# Allegro board REF_038HX-888005K4R-A100.brd (continued)
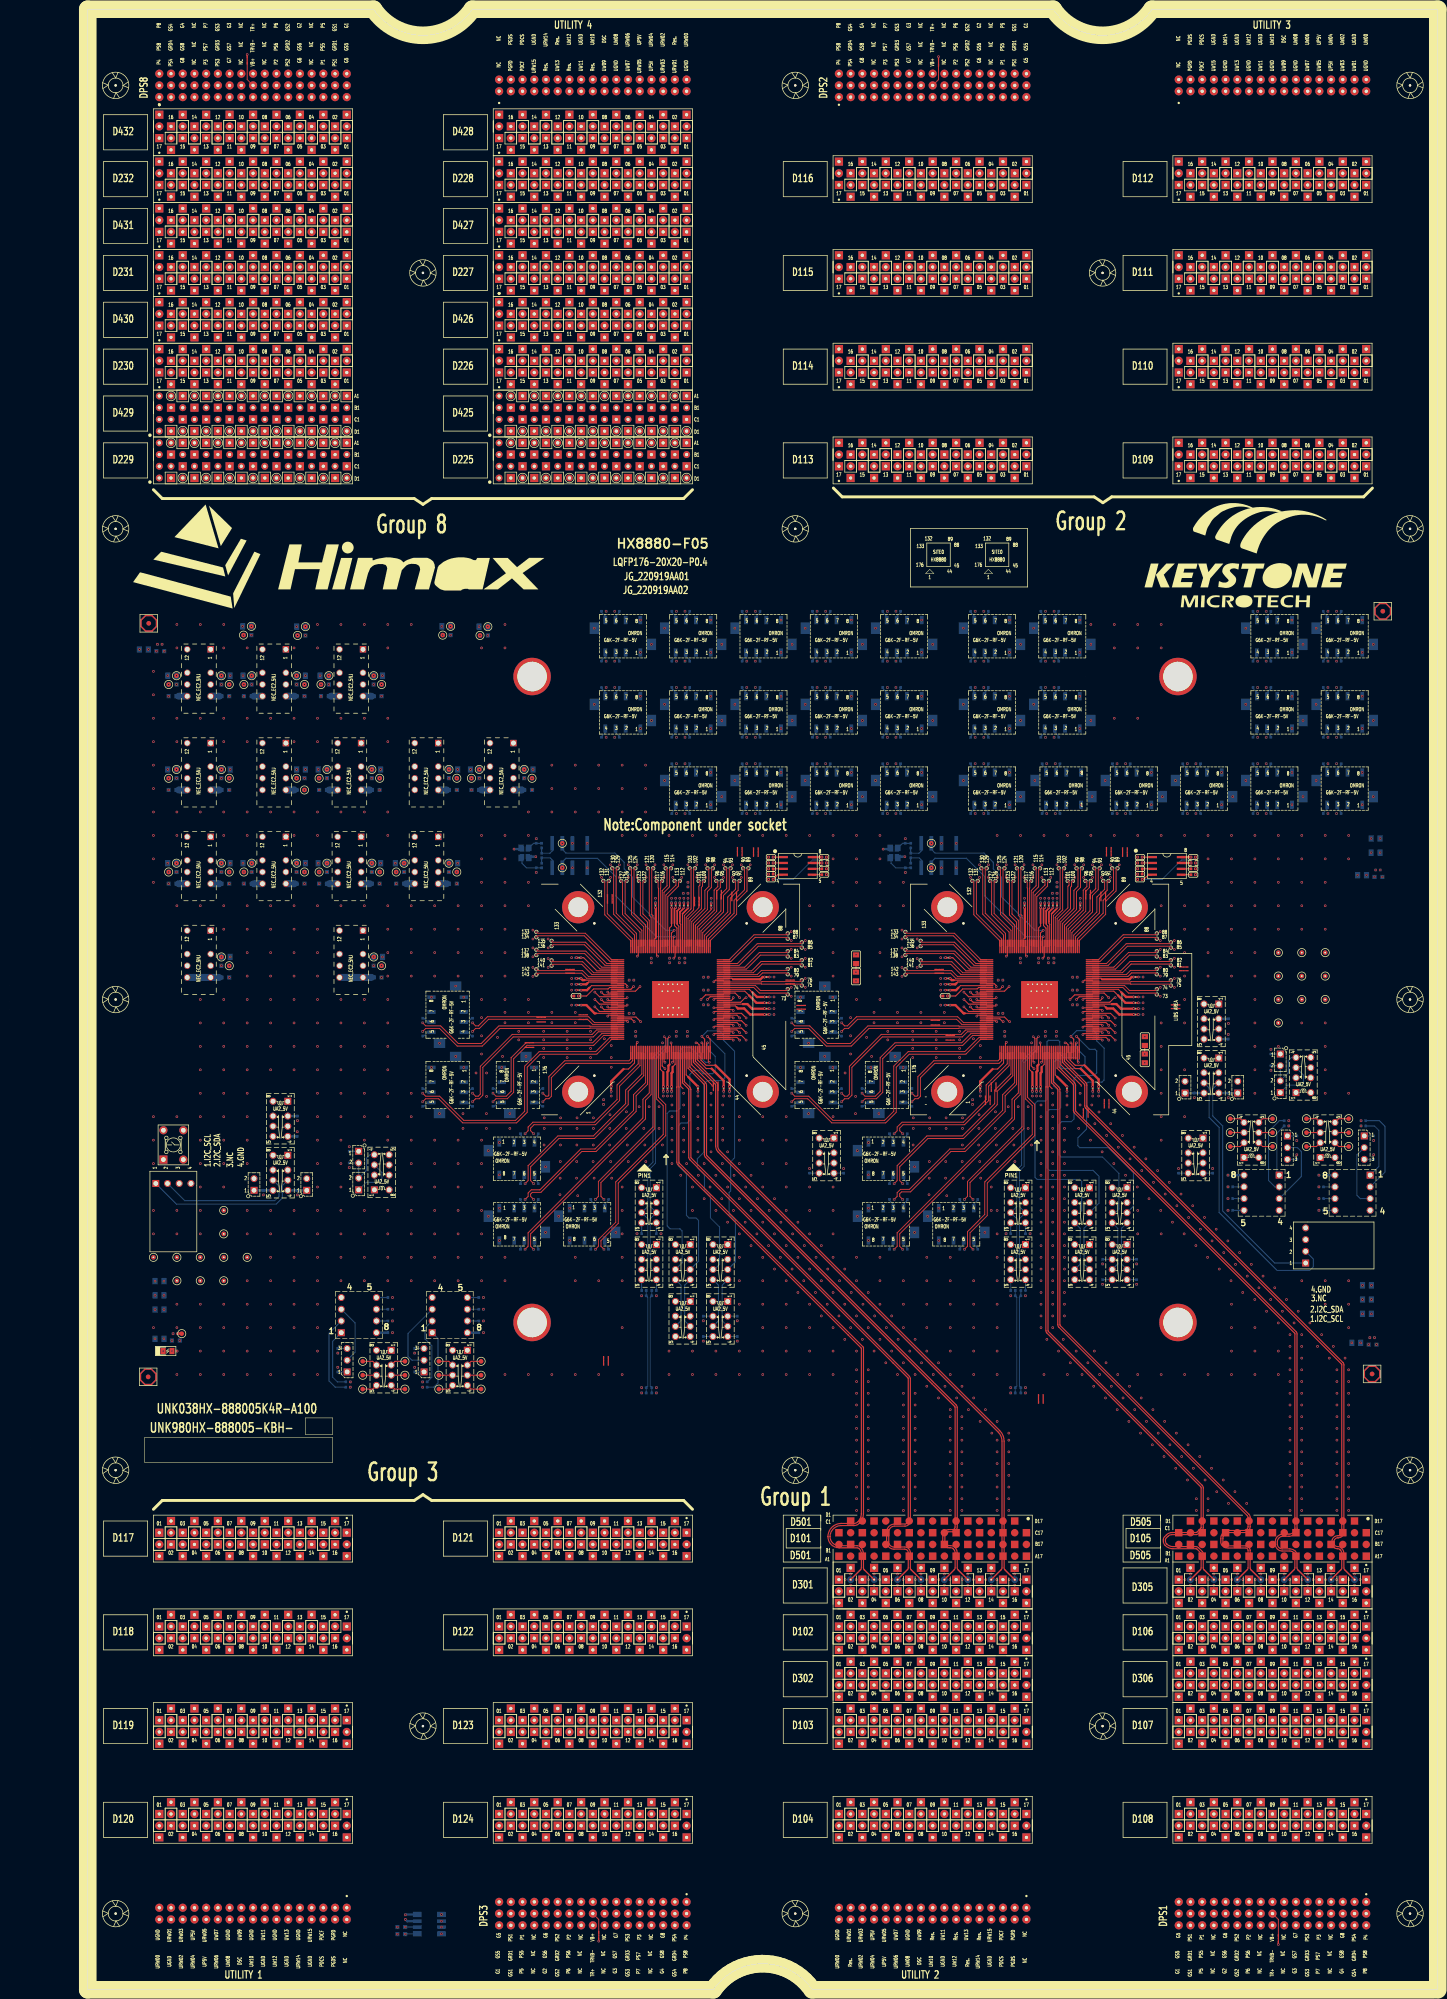
[diagram p0: board, top side]
## Routing (per net, layer and track width the routed paths; a pad name or vN(x,y) marks a point on that pad's centre or on a via; arc(x,y) is an arc through that point) (continued)
  L03_SIGNAL w0.145: 143.58,288.23 143.31,287.96 v2(142.85,287.96) ; 188.39,348.64 187.68,349.35 186.86,349.35 D114.08
  L22_SIGNAL w0.135: 143.58,287.69 143.58,286.88 143.26,286.56 140.92,286.56 139.36,288.12 139.36,303.98 130.42,312.92 119.78,312.92 118.04,311.18 118.04,305.89 119.33,304.6 125.64,304.6 131.78,298.47 131.78,285.44 133.32,283.91 138.11,283.91 147.09,274.93 147.09,253.4 141.98,248.29 136.81,248.29 132.78,244.26 132.78,240.7
  L22_SIGNAL w0.145: 132.78,240.7 v2(132.41,240.33) ; 143.58,287.69 143.31,287.96 v2(142.85,287.96)
D11409: length 268.7
  TOP w0.203: SITE1.93 133.32,229.13 137.8,233.61 137.8,237.19 139.05,238.44 139.05,242.77 v2(139.34,243.07)
  L05_SIGNAL w0.135: 181.38,354.83 181.38,356.46 176.79,361.06 156.87,361.06 153.39,357.58 153.39,323.59 148.59,318.79 148.59,312.67 153.88,307.38 153.88,266.74 156.42,264.19 158.49,264.19 159.22,264.93 159.22,265.48
  L05_SIGNAL w0.145: 159.22,265.48 159.49,265.75 v2(159.95,265.75) ; D114.09 181.38,354.83
  L20_SIGNAL w0.135: 138.98,243.43 138.98,244.67 139.5,245.19 139.69,245.19 139.86,245.01 140.05,245.01 140.24,245.2 140.24,245.39 140.07,245.57 140.07,245.76 147.12,252.82 147.12,259.24 147.88,260 151.02,260 151.37,259.65 151.37,254.62 151.97,254.02 153.75,254.02 154.37,254.64 154.37,261.22 151.76,263.83 151.76,292.63 152.5,293.37 153.31,293.37 153.86,292.82 153.86,265.46 155.39,263.93 158.51,263.93 159.22,264.64 159.22,265.48
  L20_SIGNAL w0.145: v2(159.95,265.75) 159.49,265.75 159.22,265.48 ; v2(139.34,243.07) 138.98,243.43
D11410: length 268.7
  TOP w0.203: SITE1.133 113.61,223.23 107.86,228.98 97.55,228.98 v2(97.25,229.28)
  L03_SIGNAL w0.135: 178.63,348.54 178.63,345.81 175.02,342.2 150.42,342.2 143.51,335.29 143.51,325.82 128.74,311.05 128.74,299.04
  L03_SIGNAL w0.145: v2(129.47,298.77) 129.01,298.77 128.74,299.04 ; 178.63,348.54 D114.10
  L20_SIGNAL w0.135: 96.88,228.91 95.89,228.91 95.62,229.18 95.62,231.5 96.1,231.98 96.29,231.98 96.46,231.81 96.65,231.81 96.84,232.01 96.84,232.2 96.67,232.36 96.67,232.55 96.86,232.74 97.05,232.74 97.22,232.58 97.41,232.58 97.6,232.77 97.6,232.96 97.44,233.13 97.44,233.32 106.77,242.65 106.77,249.28 104.33,251.71 104.33,268.12 104.87,268.65 106.97,268.65 107.34,268.28 107.34,251.83 108.05,251.12 109.4,251.12 110.01,251.73 110.01,271.13 116.66,277.78 116.66,299.54 113.18,303.02 113.18,307.09 114.37,308.27 123.84,308.27 124.78,307.34 124.78,297.03 125.72,296.09 128.02,296.09 128.74,296.82 128.74,298.5
  L20_SIGNAL w0.145: v2(129.47,298.77) 129.01,298.77 128.74,298.5 ; v2(97.25,229.28) 96.88,228.91
D11411: length 268.7
  TOP w0.203: v2(138.2,243.07) 138.5,242.77 138.5,238.66 137.25,237.42 137.25,233.84 132.92,229.51 SITE1.94
  L05_SIGNAL w0.135: 158.81,265.48 158.81,265.1 158.32,264.6 156.59,264.6 154.29,266.9 154.29,307.55 149,312.84 149,318.62 153.8,323.42 153.8,357.41 157.03,360.65 176.62,360.65 180.97,356.29 180.97,354.81
  L05_SIGNAL w0.145: D114.11 177.21,353.06 177.08,353.19 177.08,353.81 177.48,354.21 180.37,354.21 180.97,354.81 ; 158.81,265.48 158.55,265.75 v2(158.09,265.75)
  L20_SIGNAL w0.135: 138.57,243.43 138.57,244.84 146.72,252.99 146.72,259.4 147.71,260.4 151.19,260.4 151.78,259.81 151.78,254.79 152.14,254.43 153.58,254.43 153.96,254.81 153.96,261.06 151.35,263.66 151.35,292.8 152.33,293.78 153.48,293.78 154.27,292.99 154.27,265.63 155.56,264.34 158.34,264.34 158.81,264.81 158.81,265.48
  L20_SIGNAL w0.145: v2(138.2,243.07) 138.57,243.43 ; 158.81,265.48 158.55,265.75 v2(158.09,265.75)
D11412: length 268.7
  TOP w0.203: v2(97.25,228.13) 97.55,228.43 107.63,228.43 113.24,222.83 SITE1.134
  L03_SIGNAL w0.135: 128.33,299.04 128.33,311.22 143.1,325.99 143.1,335.46 150.25,342.61 174.85,342.61 178.22,345.98 178.22,348.65
  L03_SIGNAL w0.145: 128.33,299.04 128.07,298.77 v2(127.61,298.77) ; 178.22,348.65 177.53,349.35 176.7,349.35 D114.12
  L20_SIGNAL w0.135: 128.33,298.5 128.33,296.99 127.85,296.5 125.89,296.5 125.19,297.2 125.19,307.51 124.01,308.68 114.2,308.68 112.77,307.26 112.77,302.85 116.25,299.37 116.25,277.95 109.6,271.29 109.6,251.9 109.23,251.53 108.22,251.53 107.75,252 107.75,268.45 107.14,269.06 104.7,269.06 103.92,268.29 103.92,251.54 106.36,249.11 106.36,242.82 95.21,231.67 95.21,229.01 95.72,228.5 96.88,228.5
  L20_SIGNAL w0.145: v2(127.61,298.77) 128.07,298.77 128.33,298.5 ; v2(97.25,228.13) 96.88,228.5
D11413: length 268.7
  TOP w0.203: v2(137.41,240.33) 137.12,240.03 137.12,238.88 136.33,238.1 136.33,233.75 132.52,229.94 SITE1.95
  L05_SIGNAL w0.135: 171.73,354.32 171.73,356.82 169.95,358.6 157.88,358.6 155.84,356.56 155.84,323.53 159.25,320.13 159.25,309.41 156.47,306.63 156.47,270.93 157.41,269.98 158.58,269.98 159.22,270.63 159.22,271.18
  L05_SIGNAL w0.145: v2(159.95,271.45) 159.49,271.45 159.22,271.18 ; D114.13 171.73,354.32
  L22_SIGNAL w0.135: 137.05,240.7 137.05,241.77 137.18,241.91 137.43,241.91 137.56,242.04 137.56,242.31 137.43,242.45 137.18,242.45 137.05,242.58 137.05,244.07 137.8,244.82 142.72,244.82 146.57,248.67 148.44,248.67 152,252.23 152,273.67 147.46,278.22 147.46,308.99 149.3,310.83 154.46,310.83 156.26,309.04 156.26,281.08 158.91,278.43 158.91,274.36 156.66,272.11 156.66,270.28 157.41,269.52 158.66,269.52 159.22,270.08 159.22,271.18
  L22_SIGNAL w0.145: 159.22,271.18 159.49,271.45 v2(159.95,271.45) ; 137.05,240.7 v2(137.41,240.33)
D11414: length 268.7
  TOP w0.203: SITE1.131 118.12,227.73 112.62,233.23 112.62,240.03 v2(112.91,240.33)
  L03_SIGNAL w0.135: 168.39,348.46 168.39,347.1 166.19,344.9 149.3,344.9 140.81,336.41 140.81,326.37 124,309.56 124,298.35 128.74,293.6 128.74,288.23
  L03_SIGNAL w0.145: v2(129.47,287.96) 129.01,287.96 128.74,288.23 ; 168.39,348.46 D114.14
  L22_SIGNAL w0.135: 112.55,240.7 112.55,241.65 112.68,241.78 112.93,241.78 113.06,241.92 113.06,242.18 112.93,242.32 112.68,242.32 112.55,242.45 112.55,243.19 111.98,243.75 111.26,243.75 108.61,241.1 103.34,241.1 96.03,233.79 90.82,233.79 88.18,236.43 88.18,255.31 89.24,256.38 94.75,256.38 102.5,264.12 112.69,264.12 117.32,268.75 117.32,289.55 116.27,290.6 109.89,290.6 108.58,291.92 108.58,299.05 109.66,300.14 119.36,300.14 123.34,296.15 123.34,288.66 126.01,286 128.21,286 128.74,286.53 128.74,287.69
  L22_SIGNAL w0.145: 112.55,240.7 v2(112.91,240.33) ; 128.74,287.69 129.01,287.96 v2(129.47,287.96)
D11415: length 268.7
  TOP w0.203: v2(136.27,240.33) 136.57,240.03 136.57,239.11 135.79,238.32 135.79,233.98 132.12,230.31 SITE1.96
  L05_SIGNAL w0.135: 158.82,271.18 158.82,270.8 158.41,270.39 157.58,270.39 156.87,271.09 156.87,306.46 159.65,309.25 159.65,320.3 156.25,323.7 156.25,356.39 158.05,358.19 169.78,358.19 171.32,356.65 171.32,354.65
  L05_SIGNAL w0.145: D114.15 167.56,353.06 167.38,353.23 167.38,354.05 167.61,354.28 170.95,354.28 171.32,354.65 ; v2(158.09,271.45) 158.55,271.45 158.82,271.18
  L22_SIGNAL w0.135: 136.64,240.7 136.64,244.24 137.63,245.23 142.55,245.23 146.4,249.08 148.27,249.08 151.59,252.4 151.59,273.5 147.05,278.05 147.05,309.16 149.13,311.24 154.63,311.24 156.67,309.21 156.67,281.25 159.31,278.6 159.31,274.19 157.07,271.94 157.07,270.45 157.58,269.93 158.49,269.93 158.82,270.25 158.82,271.18
  L22_SIGNAL w0.145: 136.64,240.7 v2(136.27,240.33) ; 158.82,271.18 158.55,271.45 v2(158.09,271.45)
D11416: length 268.7
  TOP w0.203: SITE1.132 117.72,227.35 112.07,233 112.07,240.03 v2(111.77,240.33)
  L03_SIGNAL w0.135: 167.98,348.64 167.98,347.27 166.02,345.31 149.13,345.31 140.4,336.58 140.4,326.54 123.59,309.73 123.59,298.18 128.34,293.43 128.34,288.23
  L03_SIGNAL w0.145: v2(127.61,287.96) 128.07,287.96 128.34,288.23 ; D114.16 166.54,349.35 167.27,349.35 167.98,348.64
  L22_SIGNAL w0.135: 128.34,287.69 128.34,286.7 128.05,286.41 126.18,286.41 123.75,288.83 123.75,296.32 119.52,300.55 109.49,300.55 108.17,299.22 108.17,291.75 109.72,290.2 116.1,290.2 116.91,289.38 116.91,268.92 112.52,264.53 102.33,264.53 94.58,256.79 89.08,256.79 87.77,255.48 87.77,236.26 90.65,233.38 96.2,233.38 103.51,240.69 108.78,240.69 111.43,243.34 111.81,243.34 112.14,243.02 112.14,240.7
  L22_SIGNAL w0.145: v2(127.61,287.96) 128.07,287.96 128.34,287.69 ; 112.14,240.7 v2(111.77,240.33)
D11501: length 268.7
  TOP w0.203: v2(118.7,243.07) 118.41,242.77 118.41,233.29 120.92,230.78 SITE1.124
  L05_SIGNAL w0.135: 128.74,265.48 128.74,264.93 128.22,264.4 125.61,264.4 123.57,266.44 123.57,313.28 137.73,327.44 137.73,371.37 152.65,386.3 196.09,386.3 202.08,380.31 202.08,374.77
  L05_SIGNAL w0.145: 128.74,265.48 129.01,265.75 v2(129.47,265.75) ; D115.01 202.08,374.77
  L20_SIGNAL w0.135: 118.34,243.43 118.34,244.8 118.47,244.93 118.72,244.93 118.85,245.07 118.85,245.34 118.72,245.47 118.47,245.47 118.34,245.61 118.34,255.65 119.03,256.35 122.93,256.35 123.99,257.4 123.99,266.79 124.43,267.23 125.43,267.23 125.9,266.75 125.9,258.14 126.53,257.51 128.13,257.51 128.74,258.13 128.74,265.48
  L20_SIGNAL w0.145: v2(118.7,243.07) 118.34,243.43 ; 128.74,265.48 129.01,265.75 v2(129.47,265.75)
D11502: length 268.7
  TOP w0.203: SITE1.75 146.04,218.03 146.11,217.96 154.48,217.96 v2(154.78,217.66)
  L03_SIGNAL w0.135: 174.46,282.53 174.46,283.41 176.25,285.2 182.89,285.2 186.43,288.74 186.43,299.17 211.94,324.67 211.94,360.84 206.65,366.12 199.74,366.12 199.33,366.54 199.33,369.24
  L03_SIGNAL w0.145: 199.33,369.24 D115.02 ; v2(175.19,282.26) 174.73,282.26 174.46,282.53
  L20_SIGNAL w0.135: 155.15,218.03 155.91,218.03 156.25,217.69 156.25,213.42 156.11,213.29 155.64,213.29 155.51,213.15 155.51,212.88 155.64,212.75 156.11,212.75 156.25,212.62 156.25,212.35 156.11,212.21 155.64,212.21 155.51,212.08 155.51,211.81 155.64,211.67 156.11,211.67 156.25,211.54 156.25,206.85 158.68,204.43 166.18,204.43 167.81,206.06 167.81,208.78 168.41,209.37 168.41,221.03 165.34,224.1 165.34,245.93 171.75,252.34 171.75,255.1 177.87,261.22 177.87,262.9 188.79,273.82 188.79,281.84 188.17,282.47 179.84,282.47 177.54,280.17 174.95,280.17 174.46,280.65 174.46,281.99
  L20_SIGNAL w0.145: 174.46,281.99 174.73,282.26 v2(175.19,282.26) ; v2(154.78,217.66) 155.15,218.03
D11503: length 268.7
  TOP w0.203: v2(117.56,243.07) 117.86,242.77 117.86,233.06 120.52,230.4 SITE1.125
  L05_SIGNAL w0.135: 128.33,265.48 128.33,265.1 128.05,264.81 125.78,264.81 123.98,266.61 123.98,313.11 138.14,327.27 138.14,371.2 152.82,385.89 195.92,385.89 201.67,380.14 201.67,375.15
  L05_SIGNAL w0.145: 128.33,265.48 128.07,265.75 v2(127.61,265.75) ; D115.03 198.07,373.38 197.77,373.68 197.77,374.46 198.19,374.89 201.41,374.89 201.67,375.15
  L20_SIGNAL w0.135: 128.33,265.48 128.33,258.3 127.96,257.92 126.69,257.92 126.31,258.3 126.31,266.92 125.6,267.64 124.26,267.64 123.58,266.96 123.58,257.57 122.76,256.75 118.86,256.75 117.93,255.82 117.93,243.43
  L20_SIGNAL w0.145: v2(117.56,243.07) 117.93,243.43 ; 128.33,265.48 128.07,265.75 v2(127.61,265.75)
D11504: length 268.7
  TOP w0.203: SITE1.76 146.08,218.43 146.15,218.5 154.48,218.5 v2(154.78,218.8)
  L03_SIGNAL w0.135: 174.05,282.53 174.05,283.58 176.08,285.6 182.72,285.6 186.02,288.91 186.02,299.34 211.53,324.84 211.53,360.67 206.48,365.71 199.58,365.71 198.92,366.37 198.92,369.25
  L03_SIGNAL w0.145: 174.05,282.53 173.79,282.26 v2(173.33,282.26) ; D115.04 195.64,370.84 195.26,370.47 195.26,369.86 195.64,369.49 198.69,369.49 198.92,369.25
  L20_SIGNAL w0.135: 155.15,218.43 156.08,218.43 156.66,217.86 156.66,207.02 158.84,204.83 166.01,204.83 167.4,206.23 167.4,208.94 168,209.54 168,220.86 164.93,223.93 164.93,246.1 171.34,252.51 171.34,255.27 177.46,261.39 177.46,263.07 188.38,273.99 188.38,281.67 188,282.06 180.01,282.06 177.71,279.76 174.78,279.76 174.05,280.48 174.05,281.99
  L20_SIGNAL w0.145: v2(173.33,282.26) 173.79,282.26 174.05,281.99 ; v2(154.78,218.8) 155.15,218.43
D11505: length 268.7
  TOP w0.203: v2(116.77,240.33) 116.48,240.03 116.48,233.26 120.12,229.62 SITE1.126
  L05_SIGNAL w0.135: 191.97,374.72 191.97,379.56 187.9,383.62 153.76,383.62 140.4,370.26 140.4,326.54 125.89,312.02 125.89,271.24 126.81,270.32 128.24,270.32 128.74,270.82 128.74,271.18
  L05_SIGNAL w0.145: D115.05 191.97,374.72 ; v2(129.47,271.45) 129.01,271.45 128.74,271.18
  L22_SIGNAL w0.135: 128.74,271.18 128.74,270.23 128.2,269.69 122.47,269.69 114.06,261.28 103.97,261.28 96.67,253.98 94.67,253.98 94.05,253.35 94.05,251.83 94.43,251.44 98.27,251.44 99.71,250 99.71,246.84 100.52,246.03 115.55,246.03 116.41,245.18 116.41,242.55 116.54,242.41 116.79,242.41 116.92,242.28 116.92,242.01 116.79,241.87 116.54,241.87 116.41,241.74 116.41,240.7
  L22_SIGNAL w0.145: v2(129.47,271.45) 129.01,271.45 128.74,271.18 ; v2(116.77,240.33) 116.41,240.7
D11506: length 268.7
  TOP w0.203: SITE1.83 142.78,221.23 145.8,224.25 151.44,224.25 v2(151.73,223.95)
  L03_SIGNAL w0.135: v2(175.19,287.96) 174.73,287.96 174.46,288.23 174.46,292.3 208.91,326.75 208.91,359.59 205.4,363.1 189.94,363.1 189.02,364.02 189.02,369.09
  L03_SIGNAL w0.145: D115.06 189.02,369.09
  L22_SIGNAL w0.135: 152.1,224.32 156.06,224.32 156.86,225.12 157.05,225.12 157.39,224.79 157.58,224.79 157.77,224.98 157.77,225.17 157.43,225.5 157.43,225.69 157.62,225.88 157.81,225.88 158.15,225.55 158.34,225.55 158.53,225.74 158.53,225.93 158.2,226.26 158.2,226.45 160.51,228.77 160.51,230.74 165.03,235.26 165.03,250.2 169.51,254.69 169.51,280.18 173.19,283.86 182.32,283.86 185.81,287.36 185.81,305.12 183.96,306.97 179.03,306.97 176.95,304.89 176.95,287.55 176.01,286.61 174.83,286.61 174.46,286.98 174.46,287.69
  L22_SIGNAL w0.145: 174.46,287.69 174.73,287.96 v2(175.19,287.96) ; 152.1,224.32 v2(151.73,223.95)
D11507: length 268.7
  TOP w0.203: SITE1.127 119.72,229.25 115.93,233.04 115.93,240.03 v2(115.63,240.33)
  L05_SIGNAL w0.135: 191.56,375 191.56,379.39 187.73,383.21 153.93,383.21 140.81,370.09 140.81,326.37 126.3,311.86 126.3,271.41 126.98,270.73 128.07,270.73 128.33,270.99 128.33,271.18
  L05_SIGNAL w0.145: 191.56,375 191.22,374.66 188,374.66 187.66,374.32 187.66,373.62 187.9,373.38 D115.07 ; 128.33,271.18 128.07,271.45 v2(127.61,271.45)
  L22_SIGNAL w0.135: 116,240.7 116,245.01 115.38,245.62 100.35,245.62 99.3,246.67 99.3,249.83 98.1,251.03 94.26,251.03 93.64,251.66 93.64,253.52 94.5,254.39 96.5,254.39 103.8,261.69 113.89,261.69 122.3,270.09 128.03,270.09 128.34,270.4 128.34,271.18
  L22_SIGNAL w0.145: v2(115.63,240.33) 116,240.7 ; v2(127.61,271.45) 128.07,271.45 128.34,271.18
D11508: length 268.7
  TOP w0.203: SITE1.84 142.41,221.63 145.57,224.79 151.44,224.79 v2(151.73,225.09)
  L03_SIGNAL w0.135: v2(173.33,287.96) 173.79,287.96 174.06,288.23 174.06,292.47 208.5,326.92 208.5,359.42 205.23,362.69 189.77,362.69 188.61,363.85 188.61,369.02
  L03_SIGNAL w0.145: 188.61,369.02 188.08,369.55 185.31,369.55 184.94,369.93 184.94,370.47 185.31,370.84 D115.08
  L22_SIGNAL w0.135: 152.1,224.72 155.89,224.72 160.1,228.94 160.1,230.91 164.62,235.43 164.62,250.37 169.1,254.86 169.1,280.35 173.02,284.27 182.15,284.27 185.4,287.53 185.4,304.95 183.79,306.56 179.2,306.56 177.35,304.72 177.35,287.38 176.18,286.21 174.66,286.21 174.06,286.81 174.06,287.69
  L22_SIGNAL w0.145: 152.1,224.72 v2(151.73,225.09) ; v2(173.33,287.96) 173.79,287.96 174.06,287.69
D11509: length 268.7
  TOP w0.203: v2(120.63,240.33) 120.34,240.03 120.34,233.17 121.72,231.79 SITE1.122
  L05_SIGNAL w0.135: 128.74,254.67 128.74,254.29 129.19,253.85 130.86,253.85 132.68,255.67 132.68,315.57 143.1,325.99 143.1,369.14 154.88,380.92 178.66,380.92 181.07,378.52 181.07,375.46
  L05_SIGNAL w0.145: v2(129.47,254.94) 129.01,254.94 128.74,254.67 ; D115.09 181.07,375.46
  L22_SIGNAL w0.135: 120.27,240.7 120.27,241.66 120.4,241.79 120.65,241.79 120.78,241.93 120.78,242.2 120.65,242.33 120.4,242.33 120.27,242.47 120.27,248.19 119.31,249.14 115.46,249.14 113.24,251.36 102.86,251.36 102.4,251.82 102.4,255.35 104.44,257.39 116.94,257.39 117.32,257.01 117.32,252.87 118.11,252.08 121.83,252.08 122.48,252.73 122.48,260.09 123.11,260.72 124.76,260.72 125.31,260.17 125.31,254 126.33,252.98 127.72,252.98 128.74,254.01 128.74,254.67
  L22_SIGNAL w0.145: 128.74,254.67 129.01,254.94 v2(129.47,254.94) ; 120.27,240.7 v2(120.63,240.33)
D11510: length 268.7
  TOP w0.203: SITE1.85 141.2,222.03 145.35,226.18 154.48,226.18 v2(154.78,225.88)
  L03_SIGNAL w0.135: v2(175.19,298.77) 174.73,298.77 174.46,299.04 174.46,300.46 176.85,302.85 180.79,302.85 205.94,328 205.94,357.6 203.86,359.67 181.42,359.67 178.94,362.15 178.94,369.17
  L03_SIGNAL w0.145: D115.10 178.94,369.17
  L20_SIGNAL w0.135: 174.46,298.5 174.46,293.79 169.65,288.97 169.65,273.27 167.53,271.15 167.53,260.86 163.09,256.42 163.09,254.02 157.93,248.87 157.93,234.23 157.23,233.53 155.31,233.53 154.58,234.26 154.58,248.24 153.96,248.86 151.22,248.86 150.41,248.05 150.41,239.61 152.4,237.62 152.4,232.17 153.1,231.47 154.8,231.47 155.31,230.96 155.31,229.06 155.53,228.83 157.09,228.83 157.35,229.09 157.35,230.83 157.99,231.47 159.84,231.47 160.67,230.64 160.67,227.02 159.9,226.25 157.97,226.25 157.83,226.11 157.83,225.64 157.7,225.51 157.43,225.51 157.3,225.64 157.3,226.11 157.16,226.25 156.89,226.25 156.76,226.11 156.76,225.64 156.62,225.51 156.35,225.51 156.22,225.64 156.22,226.11 156.08,226.25 155.15,226.25
  L20_SIGNAL w0.145: 174.46,298.5 174.73,298.77 v2(175.19,298.77) ; v2(154.78,225.88) 155.15,226.25
D11511: length 268.7
  TOP w0.203: v2(119.49,240.33) 119.79,240.03 119.79,232.94 121.32,231.41 SITE1.123
  L05_SIGNAL w0.135: 128.34,254.67 128.34,254.12 129.02,253.44 131.03,253.44 133.09,255.5 133.09,315.4 143.51,325.82 143.51,368.97 155.05,380.51 178.49,380.51 180.66,378.35 180.66,375.2
  L05_SIGNAL w0.145: 128.34,254.67 128.07,254.94 v2(127.61,254.94) ; D115.11 179.34,374.65 180.1,374.65 180.66,375.2
  L22_SIGNAL w0.135: 119.86,240.7 119.86,248.02 119.14,248.74 115.29,248.74 113.07,250.95 102.69,250.95 101.99,251.66 101.99,255.52 104.27,257.8 117.11,257.8 117.73,257.18 117.73,253.04 118.28,252.49 121.66,252.49 122.07,252.9 122.07,260.26 122.94,261.13 124.93,261.13 125.72,260.34 125.72,254.17 126.5,253.39 127.55,253.39 128.34,254.18 128.34,254.67
  L22_SIGNAL w0.145: 119.86,240.7 v2(119.49,240.33) ; v2(127.61,254.94) 128.07,254.94 128.34,254.67
D11512: length 268.7
  TOP w0.203: v2(154.78,227.02) 154.48,226.72 145.12,226.72 140.82,222.43 SITE1.86
  L03_SIGNAL w0.135: v2(173.33,298.77) 173.79,298.77 174.05,299.04 174.05,300.63 176.68,303.26 180.62,303.26 205.53,328.17 205.53,357.43 203.69,359.26 181.25,359.26 178.53,361.98 178.53,369.13
  L03_SIGNAL w0.145: D115.12 175.27,370.84 174.87,370.44 174.87,369.91 175.32,369.46 178.21,369.46 178.53,369.13
  L20_SIGNAL w0.135: 155.15,226.65 159.73,226.65 160.26,227.19 160.26,230.47 159.68,231.06 158.16,231.06 157.76,230.66 157.76,228.92 157.26,228.42 155.37,228.42 154.9,228.89 154.9,230.79 154.63,231.06 152.93,231.06 151.99,232 151.99,237.45 150,239.44 150,248.22 151.05,249.27 154.13,249.27 154.99,248.41 154.99,234.43 155.48,233.93 157.07,233.93 157.53,234.39 157.53,249.04 162.68,254.19 162.68,256.59 167.12,261.03 167.12,271.32 169.24,273.44 169.24,289.14 174.05,293.95 174.05,298.5
  L20_SIGNAL w0.145: v2(154.78,227.02) 155.15,226.65 ; 174.05,298.5 173.79,298.77 v2(173.33,298.77)
D11513: length 268.7
  TOP w0.203: v2(126.42,243.07) 126.12,242.77 126.12,239.06 124.92,237.85 SITE1.114
  L05_SIGNAL w0.135: 171.71,374.66 171.71,376.63 169.74,378.6 155.84,378.6 145.42,368.18 145.42,325.09 138.82,318.49 138.82,266.23 140.89,264.16 143.39,264.16 143.98,264.75 143.98,265.48
  L05_SIGNAL w0.145: 143.98,265.48 144.25,265.75 v2(144.71,265.75) ; D115.13 171.71,374.66
  L20_SIGNAL w0.135: 126.05,243.43 126.05,244.59 126.19,244.73 126.44,244.73 126.57,244.86 126.57,245.13 126.44,245.27 126.19,245.27 126.05,245.4 126.05,246.37 133.39,253.71 133.39,297.67 134.05,298.33 135.89,298.33 136.48,297.75 136.48,295.61 136.24,295.38 136.24,267.42 139.62,264.05 143.11,264.05 143.98,264.93 143.98,265.48
  L20_SIGNAL w0.145: v2(144.71,265.75) 144.25,265.75 143.98,265.48 ; v2(126.42,243.07) 126.05,243.43
D11514: length 268.7
  TOP w0.203: SITE1.129 118.92,228.97 114.55,233.34 114.55,242.77 v2(114.84,243.07)
  L03_SIGNAL w0.135: 128.74,282.53 128.74,283.08 121.5,290.32 121.5,310.64 138.14,327.27 138.14,338.26 161.15,361.27 165.5,361.27 168.39,364.16 168.39,368.78
  L03_SIGNAL w0.145: 128.74,282.53 129.01,282.26 v2(129.47,282.26) ; 168.39,368.78 D115.14
  L20_SIGNAL w0.135: 128.74,281.99 128.74,274.86 122.08,268.2 122.08,259.16 121.37,258.45 117.98,258.45 117.36,259.07 117.36,267.89 123.75,274.29 123.75,279.99 125.43,281.66 125.43,292.87 124.44,293.86 122.11,293.86 121.48,293.23 121.48,277.63 117.91,274.06 117.91,271.25 114.48,267.82 114.48,249.79 113.64,248.95 110.5,248.95 110.04,248.49 110.04,245.69 110.53,245.2 111.49,245.2 111.63,245.33 111.63,245.58 111.76,245.71 112.03,245.71 112.16,245.58 112.16,245.33 112.3,245.2 113.86,245.2 114.48,244.58 114.48,243.43
  L20_SIGNAL w0.145: v2(114.84,243.07) 114.48,243.43 ; v2(129.47,282.26) 129.01,282.26 128.74,281.99
D11515: length 268.7
  TOP w0.203: SITE1.115 124.52,238.23 125.57,239.29 125.57,242.77 v2(125.28,243.07)
  L05_SIGNAL w0.135: 171.3,374.77 171.3,376.46 169.57,378.19 156.01,378.19 145.83,368.01 145.83,324.92 139.23,318.32 139.23,266.4 141.06,264.57 143.22,264.57 143.57,264.92 143.57,265.48
  L05_SIGNAL w0.145: D115.15 167.62,373.38 167.4,373.6 167.4,374.3 167.61,374.52 171.05,374.52 171.3,374.77 ; v2(142.85,265.75) 143.31,265.75 143.57,265.48
  L20_SIGNAL w0.135: 143.57,265.48 143.57,265.1 142.94,264.46 139.79,264.46 136.65,267.59 136.65,295.21 136.88,295.44 136.88,297.92 136.06,298.74 133.88,298.74 132.98,297.84 132.98,253.88 125.64,246.54 125.64,243.43
  L20_SIGNAL w0.145: v2(142.85,265.75) 143.31,265.75 143.57,265.48 ; v2(125.28,243.07) 125.64,243.43
D11516: length 268.7
  TOP w0.203: SITE1.130 118.52,228.6 114,233.12 114,242.77 v2(113.7,243.07)
  L03_SIGNAL w0.135: 167.98,368.96 167.98,364.33 165.33,361.68 160.98,361.68 137.73,338.43 137.73,327.44 121.09,310.81 121.09,290.15 128.33,282.91 128.33,282.53
  L03_SIGNAL w0.145: 167.98,368.96 167.27,369.67 166.54,369.67 D115.16 ; 128.33,282.53 128.07,282.26 v2(127.61,282.26)
  L20_SIGNAL w0.135: 128.33,281.99 128.33,275.03 121.67,268.37 121.67,259.33 121.2,258.86 118.15,258.86 117.77,259.24 117.77,267.72 124.16,274.12 124.16,279.82 125.84,281.49 125.84,293.04 124.61,294.27 121.94,294.27 121.07,293.4 121.07,277.79 117.5,274.23 117.5,271.42 114.07,267.98 114.07,249.96 113.47,249.36 110.33,249.36 109.63,248.66 109.63,245.52 110.36,244.79 113.69,244.79 114.07,244.41 114.07,243.43
  L20_SIGNAL w0.145: 128.33,281.99 128.07,282.26 v2(127.61,282.26) ; v2(113.7,243.07) 114.07,243.43
D11601: length 220.5
  L07_SIGNAL w0.17: D116.01 197.37,399.8 159.27,399.8 155.46,395.99 155.46,335.03 138.7,318.26 138.7,286.26 105.06,252.62 v1(105.06,248.48)
D11602: length 188.9
  TOP w0.231: UT1.2 v1(148.57,244.22)
  L07_SIGNAL w0.17: D116.02 194.33,384.56 164.79,384.56 160.8,380.56 160.8,332.82 149.37,321.39 149.37,255.78 150.22,254.92 150.22,245.87 v1(148.57,244.22)
D11603: length 219.4
  L07_SIGNAL w0.17: v1(105.06,243.18) 106.05,244.17 106.05,252.53 139.46,285.94 139.46,317.95 156.23,334.71 156.23,395.67 159.59,399.03 193.06,399.03 D116.03
D11604: length 183.2
  TOP w0.231: UT1.1 v1(148.57,245.49)
  L07_SIGNAL w0.17: v1(148.57,245.49) 149.47,246.39 149.47,254.15 148.61,255.02 148.61,321.7 160.04,333.13 160.04,380.88 164.48,385.32 190.01,385.32 D116.04
D11605: length 225.8
  L07_SIGNAL w0.17: D116.05 188.74,398.27 159.9,398.27 156.99,395.35 156.99,334.39 145.56,322.96 145.56,254.44 143.09,251.97 140.22,251.97 133.01,244.76 133.01,243.03 130.95,240.97 130.95,228.73 128.82,226.59 128.82,223.18 v1(128.23,222.59)
D11606: length 210.4
  TOP w0.231: v1(135.72,218.46) 136.09,218.83 SITE1.77
  L07_SIGNAL w0.17: D116.06 185.69,386.08 164.16,386.08 159.27,381.19 159.27,333.45 147.84,322.02 147.84,253.49 144.57,250.22 144.57,241.32 139.99,236.74 139.99,230.09 135.72,225.82 v1(135.72,218.46)
D11607: length 218.7
  L07_SIGNAL w0.17: D116.07 184.42,397.51 160.22,397.51 157.75,395.04 157.75,334.08 146.32,322.65 146.32,254.12 143.4,251.21 140.99,251.21 136.74,246.96 136.74,243.11 134.91,241.28 134.91,238.73 133.68,237.5 133.68,228.83 130.07,225.22 130.07,223.23 v1(129.43,222.59)
D11608: length 203.6
  L07_SIGNAL w0.17: D116.08 181.37,386.84 163.85,386.84 158.51,381.51 158.51,333.76 147.08,322.33 147.08,253.81 140.69,247.42 140.69,243.09 138.8,241.19 138.8,231.32 133.48,226 v1(133.48,219.47)
D11609: length 268.7
  TOP w0.203: v2(97.25,225.42) 97.55,225.12 107.95,225.12 111.44,221.63 SITE1.137
  L05_SIGNAL w0.135: 181.68,395.17 181.68,396.28 175.93,402.03 155.32,402.03 131.91,378.62 131.91,327.35 110.42,305.86 110.42,281.96 111.97,280.41 112.99,280.41 113.5,280.92 113.5,281.99
  L05_SIGNAL w0.145: 113.5,281.99 113.77,282.26 v2(114.23,282.26) ; D116.09 181.68,395.17
  L20_SIGNAL w0.135: 113.5,281.99 113.5,280.49 98.61,265.59 98.61,240.55 92.01,233.95 92.01,225.61 92.57,225.05 93.81,225.05 93.94,225.19 93.94,225.42 94.07,225.56 94.34,225.56 94.48,225.42 94.48,225.19 94.61,225.05 94.88,225.05 95.02,225.19 95.02,225.42 95.15,225.56 95.42,225.56 95.56,225.42 95.56,225.19 95.69,225.05 96.88,225.05
  L20_SIGNAL w0.145: v2(114.23,282.26) 113.77,282.26 113.5,281.99 ; v2(97.25,225.42) 96.88,225.05
